# Allegro board BeagleBone-AI.brd (continued)
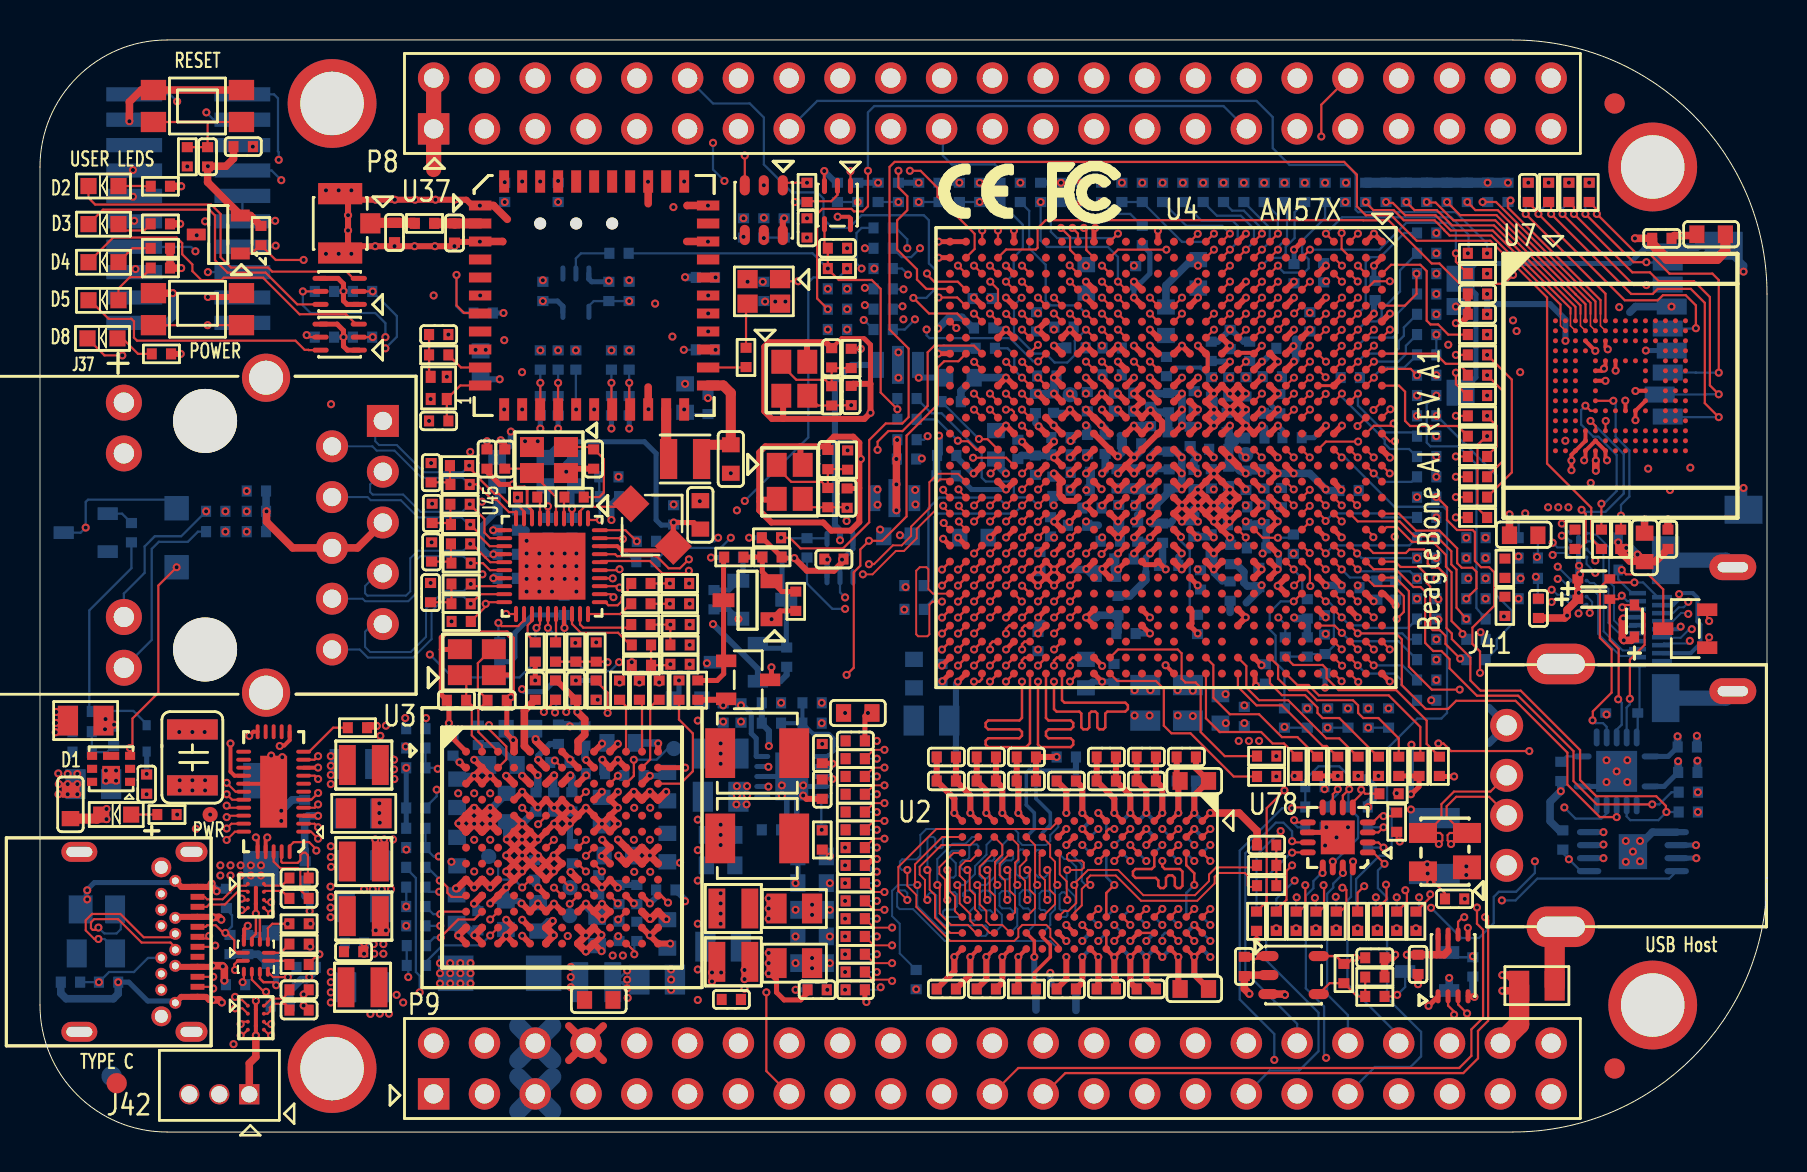
[diagram p0: board, top side]
## Routing (per net, layer and track width the routed paths; a pad name or vN(x,y) marks a point on that pad's centre or on a via; arc(x,y) is an arc through that point) (continued)
  INT_L3 w0.102: v1(65.09,30.53) 65.45,30.89 68,30.89 v1(68.86,31.75)
N23051823: length 8.3
  TOP w0.114: U4.W6 v1(52.3,40.93)
  BOTTOM w0.114: v1(52.3,40.93) 51.89,41.34 50.54,41.34 50.29,41.59 50.29,43.37 49.47,44.2 49.47,46.06 R583.1
N23326687: length 5.4
  TOP w0.114: v1(64.29,30.56) 64.29,30.61 63.97,30.93 U4.E18
  BOTTOM w0.114: v1(64.29,30.56) 64.67,30.94 66.9,30.94 67.11,30.73 R199.1
N23326694: length 5.4
  TOP w0.114: U4.E20 v1(64.29,28.93)
  BOTTOM w0.114: R200.1 68.48,29.34 64.7,29.34 v1(64.29,28.93)
N23442368: length 3.8
  TOP w0.114: v1(46.95,34.66) 46.96,34.65 47.38,34.65 U4.AE14
  BOTTOM w0.114: v1(46.95,34.66) R100.1
N23442594: length 8.8
  TOP w0.114: U4.AD17 v1(48.31,31.33)
  BOTTOM w0.114: v1(48.31,31.33) 47.91,31.72 44.96,31.72 44.42,31.19 44.42,27.56 R101.1
N23442637: length 6.9
  TOP w0.114: U4.AC16 v1(49.11,32.13)
  INT_L3 w0.102: v1(49.11,32.13) 49.09,32.13 48.7,32.51 48.7,33.08 48.45,33.34 46.19,33.34 45.75,33.78 44.2,33.78 v1(44.09,33.68)
  BOTTOM w0.114: R99.1 44.07,33.66 v1(44.09,33.68)
N23442639: length 8.2
  TOP w0.114: U4.AB16 v1(49.91,32.13)
  INT_L3 w0.102: v1(49.91,32.13) 49.91,32.13 49.53,32.51 49.53,33.15 48.46,34.21 44.97,34.21 v1(44.39,34.8)
  BOTTOM w0.114: R98.1 44.21,34.62 v1(44.39,34.8)
N23442674: length 10
  TOP w0.114: U4.AC17 v1(49.11,31.33)
  BOTTOM w0.114: v1(49.11,31.33) 48.7,30.92 44.89,30.92 44.72,30.75 44.72,26.68 44.2,26.16 R102.1
N23513914: length 5.7
  TOP w0.114: v1(65.1,24.96) 64.74,25.32 U4.E25
  BOTTOM w0.114: v1(65.1,24.96) 65.52,24.54 67.94,24.54 R582.2
N23597716: length 6.8
  TOP w0.114: R27.2 25.78,21.59 v1(25.2,21.01)
  TOP w0.12: U3.E5 v1(24.11,16.21)
  INT_L3 w0.102: v1(24.11,16.21) 25.32,17.43 25.32,20.5 25.2,20.62 v1(25.2,21.01)
N23656380: length 7.6
  TOP w0.114: U7.A6 78.28,41.92 v1(74.3,45.91)
  BOTTOM w0.114: R183.1 74.3,46.38 v1(74.3,45.91)
N23656488: length 7.8
  TOP w0.114: v1(79.06,30.82) 79.06,30.14 R201.1 ; U7.J5 v1(78.68,36.57)
  BOTTOM w0.114: v1(79.06,30.82) 79.06,31.36 79.48,31.78 79.48,34.09 78.79,34.77 78.79,36.45 v1(78.68,36.57)
N24572118: length 13.1
  TOP w0.114: D5.2 2.5,41.59 3.43,40.67 4.57,40.67 4.7,40.54 4.7,39.73 4.85,39.57 12.78,39.57 13.23,39.12 13.42,39.12 13.44,39.1 T1.6
N24572172: length 2.6
  TOP w0.114: D5.1 3.93,42.18 4.49,42.75 5.11,42.75 5.54,43.18 R590.1
N24572186: length 1.9
  TOP w0.114: R591.1 4.62,44.2 D4.1
N24572188: length 16.4
  TOP w0.114: D4.2 3.66,44.73 6.83,44.73 7.11,44.45 7.11,43.89 7.62,43.38 7.62,43.05 8.08,42.6 9.07,42.6 9.19,42.72 11.15,42.72 12.98,40.89 15.3,40.89 15.8,40.4 T1.3
N24572248: length 15.2
  TOP w0.114: T2.6 12.87,41.39 11.28,42.98 9.37,42.98 8.75,43.6 8.75,45.83 8.46,46.13 3.15,46.13 D3.2
N24572250: length 1.9
  TOP w0.114: R592.1 5.21,45.08 4.17,45.08 3.93,45.33 D3.1
N24572322: length 1.6
  TOP w0.114: R593.1 5.1,47.29 5.09,47.31 D2.1
N24572324: length 17
  TOP w0.114: D2.2 2.42,46.72 2.76,46.38 8.56,46.38 9.03,45.91 9.03,43.75 9.55,43.23 11.4,43.23 11.61,43.03 15.33,43.03 15.67,42.69 T2.3
N24828742: length 4.4
  TOP w0.114: U4.C27 v1(65.89,23.33)
  BOTTOM w0.114: R581.2 68.83,21.59 68.07,22.35 68.07,22.61 67.75,22.92 66.31,22.92 v1(65.89,23.33)
N24884777: length 2.7
  TOP w0.114: R537.1 14.66,20.22 13.46,19.02 U72.11
N24893755: length 0.7
  TOP w0.114: v1(10.13,7.49) 10.2,7.55 U22.3
  BOTTOM w0.114: v1(10.13,7.49) R540.2
N24895491: length 1.2
  TOP w0.114: R542.1 12.04,8.96 U22.8
N24896459: length 1.1
  TOP w0.114: R543.1 12.29,8.56 U22.7
N24952649: length 7.3
  BOTTOM w0.114: D77.1 6.4,31.62 2.4,31.62 2.29,31.51 v1(2.29,30.23) 2.03,29.97 Q14.3
N24952688: length 1.4
  BOTTOM w0.114: Q14.1 4.1,30.92 R552.2
N24981990: length 3.4
  SIG_L8 w0.102: v1(35.05,20.52) 35.05,19.63 v1(36.42,18.26)
  BOTTOM w0.114: R3.1 35.18,20.52 v1(35.05,20.52) ; U1.9 36.42,18.28 v1(36.42,18.26)
N24982040: length 1.7
  BOTTOM w0.114: U1.5 39.07,15.14 v1(39.09,15.11)
N24982198: length 4.8
  SIG_L8 w0.102: v1(36.42,17.27) 36.42,17.65 34.67,19.41 34.67,20.02 v1(34.16,20.52)
  BOTTOM w0.114: R4.1 34.29,20.52 v1(34.16,20.52) ; v1(36.42,17.27) 36.42,17.28 U1.7
N24984890: length 2
  TOP w0.114: R26.2 R29.2 C49.1
N25034157: length 1.5
  TOP w0.114: v1(24.83,25.21) 25,25.38 U45.24
  BOTTOM w0.114: R660.1 24.77,25.15 v1(24.83,25.21)
N25040645:
  vias: v1(33.78,39.12)
N25041354: length 2.3
  TOP w0.508: R385.1 18.72,45.47 C268.1 16.52,45.47 J33.1
N25042473: length 2.2
  TOP w0.114: R576.1 35.31,41.35 OSC1.3
N25042541: length 1.7
  TOP w0.114: OSC1.1 37.11,42.54 v1(37.91,42.54)
  BOTTOM w0.114: v1(37.91,42.54) 37.24,42.54 R588.1
N25046465: length 10.4
  TOP w0.114: U78.14 v1(64.65,13.53) ; v1(65.47,17.14) 65.15,16.82 U78.6
  BOTTOM w0.114: v1(64.65,13.53) 64.73,13.53 R567.1 65.91,14.71 65.91,15.75 65.43,16.23 C466.1 65.43,17.11 v1(65.47,17.14) 65.47,17.79 64.97,18.29 63.93,18.29 63.27,17.63 FB5.2 R566.1
N25046575: length 2.2
  TOP w0.114: v1(64.9,17.14) 64.65,16.89 U78.7
  BOTTOM w0.114: v1(64.9,17.14) 64.9,16.92 R566.2
N25046904: length 1.7
  TOP w0.114: U78.3 66.93,14.98 v1(67.18,15.24)
  BOTTOM w0.114: v1(67.18,15.24) R572.2
N25070930: length 1.3
  TOP w0.114: D1.1 R594.1
N25114550: length 8.5
  TOP w0.114: U4.A19 67.21,30.13 67.34,30.25 67.87,30.25 68.61,29.51 69.65,29.51 70.31,28.85 70.31,28.27 70.59,27.99 70.59,25.55 71.12,25.02 71.12,24.99 v1(71.13,24.9)
  BOTTOM w0.114: R608.1 71.32,24.71 v1(71.13,24.9)
N25114553: length 7.9
  TOP w0.114: U4.A18 67.96,30.93 68.81,30.07 69.98,30.07 70.87,29.18 70.87,28.45 71.09,28.22 71.63,28.22 71.83,28.02 71.83,27.18 v1(71.32,26.67)
N25114574: length 3
  TOP w0.114: U4.B15 v1(66.69,32.93)
  BOTTOM w0.114: v1(66.69,32.93) 67.12,32.51 68.58,32.51 68.83,32.77 R609.1
N25284807: length 1.5
  TOP w0.114: U78.9 62.83,15.48 v1(62.71,15.6)
  BOTTOM w0.114: R571.1 62.89,15.24 62.71,15.42 v1(62.71,15.6)
N25422284: length 0.6
  TOP w0.114: U4.AB10 v1(49.9,37.73)
N25698906: length 0.6
  TOP w0.305: U4.J10 v1(61.1,37.73)
N25698920: length 2.2
  TOP w0.114: U4.J19 60.73,30.13 61.14,29.72 v1(61.9,29.72)
  BOTTOM w0.114: v1(61.9,29.72) 62.51,29.72 C260.1
N25698922: length 0.6
  TOP w0.114: U4.K9 v1(60.3,38.53)
N25698924: length 0.6
  TOP w0.305: U4.K16 v1(60.29,32.13)
N25698926: length 1.1
  TOP w0.114: U4.K19 v1(60.29,29.73)
  BOTTOM w0.114: C254.1 60.29,29.27 v1(60.29,29.73)
N25698938: length 0.6
  TOP w0.305: U4.J16 v1(61.09,32.13)
N25698940: length 1.6
  TOP w0.305: U4.J9 v1(61.1,38.53)
  BOTTOM w0.305: C274.1 61.16,38.53 v1(61.1,38.53)
N25698946: length 0.6
  TOP w0.305: U4.T20 v1(54.71,28.93)
N25698948: length 0.5
  TOP w0.305: v1(51.54,34.56) U4.Y13
N25698950: length 0.6
  TOP w0.305: U4.Y14 v1(51.51,33.73)
N25698952: length 0.6
  TOP w0.305: U4.Y15 v1(51.51,32.93)
N25698960: length 3.7
  TOP w0.305: U4.R20 v1(55.51,28.93)
  BOTTOM w0.305: 55.3,28 55.3,28.72 v1(55.51,28.93)
  BOTTOM w0.381: C204.1 54.5,26.81 55.3,27.61 55.3,28
N25698962: length 4.7
  TOP w0.305: U4.P19 57.05,29.77 v1(57.05,29.75)
  BOTTOM w0.127: C214.1 57.49,26.25 57.49,29.11 57.05,29.55 v1(57.05,29.75)
N25698964: length 1.5
  TOP w0.305: U4.L9 v1(59.5,38.53)
  BOTTOM w0.305: C276.1 58.6,38.53 v1(59.5,38.53)
N25698978: length 0.6
  TOP w0.305: U4.Y16 v1(51.51,32.13)
N25699105: length 0.6
  TOP w0.114: U4.K14 v1(60.29,33.73)
N25805939: length 3.8
  TOP w0.114: U40.4 64.49,7.44 R656.1 65.86,6.78 R658.1 R657.1
N25806056: length 2
  TOP w0.114: v1(67.87,6.86) 67.79,6.78 R658.2
  BOTTOM w0.114: v1(67.87,6.86) 68.27,7.26 Q17.3
N25820129:
  vias: v1(33.78,42.74)
N25821506: length 8.5
  TOP w0.114: U72.8 13.74,17.82 v1(13.91,17.65)
  SIG_L10 w0.102: v1(13.91,17.65) 10.36,17.65 9.8,18.21 9.02,18.21 8.76,17.96 8.76,16.74 8.51,16.48 v1(8.51,15.88)
N26018296: length 0.6
  TOP w0.12: U3.J7 26.51,12.22 v1(26.51,12.22)
N26018478: length 11.8
  TOP w0.114: R670.1 59.25,18.8 58.04,20 58.04,22.23 57.78,22.48 57.28,22.48 57.09,22.67 57.09,23.94 56.9,24.13 53.91,24.13 U4.V27
N26018485: length 10.6
  TOP w0.114: R671.2 59.69,17.78 57.53,19.94 56.58,19.94 56.2,20.32 56.2,22.16 55.8,22.56 53.87,22.56 U4.V28
N26019143: length 10.7
  TOP w0.114: U4.G27 62.67,23.36 64.14,23.36 64.34,23.16 64.34,22.7 64.94,22.1 67.82,22.1 69.34,20.57 69.34,19.41 R672.2
N26019150: length 7.6
  TOP w0.114: U4.H28 61.5,22.44 62.1,21.84 63.26,21.84 63.88,21.22 63.88,20.96 64.14,20.7 64.97,20.7 66.9,18.77 R673.2
N26019157: length 7.1
  TOP w0.114: R674.2 64.87,18.77 64.34,19.3 64.14,19.3 62.1,21.34 60.83,21.34 59.9,22.27 U4.K28
N26019164: length 8.6
  TOP w0.114: R675.2 63.86,18.77 62.88,19.75 62.1,19.75 60.96,20.89 59.5,20.89 58.67,21.72 58.67,23.35 U4.M27
N26019171: length 9.4
  TOP w0.114: U4.G28 62.88,22.35 63.43,22.35 63.95,21.84 67.44,21.84 69.03,20.25 69.03,18.81 68.99,18.77 R676.1
N26019187: length 9.6
  TOP w0.114: U4.H27 61.91,23.32 61.91,22.67 62.48,22.1 63.35,22.1 63.86,21.59 65.66,21.59 65.91,21.34 65.91,20.96 66.17,20.7 66.93,20.7 67.95,19.69 R677.1
N26019190: length 8.7
  TOP w0.114: R678.1 65.89,18.77 64.97,19.69 64.32,19.69 62.42,21.59 60.96,21.59 60.33,22.23 60.33,23.3 U4.K27
N26019198: length 7.6
  TOP w0.114: R679.1 62.2,19.43 61.63,19.43 61.06,20 58.99,20 58.3,20.69 U4.M28
N26245443: length 2
  TOP w0.114: R701.1 4.9,38.91 4.13,39.69 D8.1
N26245445: length 9.6
  TOP w0.114: D8.2 3.23,38.84 v1(4.11,38.84)
  INT_L3 w0.102: v1(4.11,38.84) 4.11,41.12 v1(7.84,44.84)
N26302295: length 1.7
  TOP w0.114: U78.4 66.65,15.48 66.99,15.83 67.15,15.83 v1(67.18,15.8) 67.67,15.8 R706.2
N26302298: length 2.1
  TOP w0.114: R707.2 66.27,16.92 v1(66.07,17.12) 66.07,16.9 65.65,16.48 U78.5

## Copper pours and planes (outline as drawn; the poured copper is in the pictures)
1V8_PHY_HDMI on TOP: 50.55,33.1 50.9,33.1 51.26,32.74 51.26,31.95 51.36,31.85 51.97,31.85 52.1,31.72 52.1,31.55 51.89,31.34 51.05,31.34 50.5,31.9 50.5,33.05
1V8_PHY_HDMI on SIG_L10: 51.72,31.18 51.97,31.43 51.97,31.85 53.1,32.98 53.1,33.8 52.54,34.36 46.99,34.36 46.43,33.81 43.65,33.81 42.23,32.38 42.23,29.65 42.55,29.34 43.64,29.34 45.48,31.18
1V8_PHY_SATA on SIG_L5: 53.26,35.51 53.26,34.14 52.93,33.81 50.09,33.81 49.6,34.3 49.6,35.43 49.4,35.64 47.8,35.64 47.41,36.03 44.36,36.03 43.73,36.66 43.73,37.81 43.85,37.93 48.37,37.93 48.76,37.55 51.22,37.55
1V8_PLL on SIG_L5: 48.22,33.08 48.22,32.67 48.73,32.16 48.73,31.53 48.24,31.05 41.02,31.05 41.02,33.08
1V8_PLLA on TOP: 55.96,34.52 56.9,34.52 57.23,34.19 57.23,33.17 57.66,32.74 57.66,32.44 57.33,32.11 56.64,32.11 55.68,31.14 55.47,31.14 55.37,31.24 55.37,31.42 56.21,32.26 56.21,33.53 56.11,33.63 55.52,33.63 55.4,33.76 55.4,33.96
1V8_PLLA on BOTTOM: 55.37,33.66 55.37,33.88 55.8,34.32 56.82,34.32 57.3,33.83 57.3,32.03 57.15,31.88 56.77,31.88 55.93,31.04 55.42,31.04 55.35,31.12 55.35,31.47 55.52,31.65 55.91,31.65 56.13,31.88 56.13,32.44 56.24,32.54 56.67,32.54 56.82,32.69 56.82,33.5 56.77,33.55 55.47,33.55
1V8_PLLA on SIG_L5: 56.79,33.6 58.01,33.6 58.63,34.22 58.63,36.8 58.54,36.89 56.42,36.89 56.1,36.57 56.1,34.72 55.19,33.81 55.19,32.94 55.28,32.85 56.06,32.85 56.09,32.88 56.09,32.9
1V8_PLLA on PWR_L7: 43.62,32.52 50.79,32.52 50.99,32.73 54.19,32.73 55.21,31.71 55.94,31.71 56.65,32.42 56.65,33.87 56.76,33.97 58.86,33.97 59.07,33.77 59.07,31.99 57.72,30.65 54.29,30.65 54.06,30.87 52.54,30.87 52.31,30.65 43.85,30.65 43.47,31.03 43.47,32.32 43.65,32.5
3V3_SD on SIG_L5: 25.03,17.39 25.03,19.7 26.06,20.73 26.06,24.26 31.12,29.31 33.66,29.31 34.25,28.71 34.25,23.2 33.02,21.97 28.22,21.97 27.98,21.73 27.98,19.09 25.95,17.06 25.36,17.06
3V3_SD on PWR_L7: 32.77,28.52 32.36,28.93 32.36,35.15 41.14,43.93 71.39,43.93 72.24,44.78 72.24,47.57 72.85,48.18 77.17,48.18 77.75,47.6 77.75,44.4 75.9,42.54 54.33,42.54 52.78,41 52.78,39.22 52.68,39.12 52.04,39.12 51.82,39.34 51.82,41.33 51.21,41.94 41.96,41.94 34.32,34.29 34.32,29.21 33.63,28.52
3V3_USB on SIG_L10: 46.02,34.04 46.72,34.73 51.5,34.73 51.88,35.12 51.88,36.51 51.63,36.77 41.29,36.77 39.83,35.31 39.83,30.48 40.13,30.18 41.45,30.18 42.04,30.76 42.04,32.72 43.36,34.04
GND on TOP: 1.04,16.36 3.4,16.36 3.53,16.23 3.53,15.37 3.35,15.19 1.12,15.19 0.99,15.32 0.99,16.31
GND on TOP: 57.38,34.44 57.73,34.44 58.06,34.11 58.06,32.97 57.94,32.84 57.73,32.84 57.35,33.22 57.35,34.42
GND on TOP: 17.59,16.61 17.59,15.17 16.58,15.17 16.54,15.21 16.54,16.69 16.61,16.76 17.44,16.76
GND on TOP: 70.59,13.84 72.03,13.84 72.11,13.77 72.11,12.45 71.6,11.94 71.6,11.46 71.5,11.35 70.94,11.35 70.82,11.48 70.82,12.45 70.51,12.75 70.51,13.77
GND on TOP: 44.37,29.87 45.26,29.87 45.54,29.59 45.54,29.08 45.44,28.98 45.26,28.98 44.88,28.6 43.97,28.6 43.54,28.17 43.54,24.69 43.87,24.36 44.22,24.36 44.7,23.88 44.7,23.14 44.91,22.94 45.42,22.94 45.54,22.81 45.54,22.07 45.67,21.95 48.49,21.95 48.67,21.77 48.67,21.31 48.49,21.13 47.19,21.13 46.81,20.75 46.81,19.84 46.51,19.53 46.51,19.51 44.45,19.51 44.15,19.2 44.15,17.22 44.48,16.89 45.77,16.89 45.97,16.69 45.97,15.72 45.62,15.37 42.93,15.37 42.55,15.75 42.55,21.41 42.32,21.64 39.95,21.64 39.52,21.21 39.52,20.27 39.42,20.17 38.96,20.17 38.63,20.5 35.81,20.5 35.69,20.62 35.69,21.59 36.04,21.95 37.34,21.95 37.85,22.45 40.74,22.45 41.1,22.81 41.1,26.92 42.93,28.75 43.26,28.75
GND on TOP: 63.7,30.3 65.18,30.3 65.35,30.12 65.35,29.69 65.23,29.57 63.68,29.57 63.58,29.67 63.58,30.18
GND on TOP: 24.13,46.58 32.36,46.58 32.49,46.46 32.49,37.39 32.26,37.16 23.22,37.16 22.94,37.44 22.94,45.39
GND on TOP: 30.48,6.96 31.29,7.77 31.8,7.77 32.61,6.96 34.21,6.96 34.29,6.88 34.29,6.17 34.09,5.97 28.42,5.97 28.32,6.07 28.32,6.91 28.37,6.96
GND on TOP: 49.96,34.62 51.08,34.62 51.23,34.47 51.23,33.38 51.16,33.3 50.9,33.3 50.55,33.66 50.09,33.66 49.89,33.86 49.89,34.54
GND on TOP: 66.4,45.26 67.41,45.26 67.74,44.93 67.74,43.87 67.08,43.21 66.6,43.21 66.5,43.31 66.5,43.43 66.62,43.56 66.62,43.92 66.5,44.04 66.19,44.04 66.12,44.12 66.12,44.98
GND on TOP: 59.82,42.82 60.38,42.82 60.48,42.72 60.48,41.38 60.27,41.17 59.87,41.17 59.72,41.33 59.72,42.72
GND on TOP: 53.87,29.44 54.41,29.44 54.48,29.36 54.48,28.7 54.56,28.63 56.08,28.63 56.39,28.32 56.39,28.09 56.29,27.99 53.9,27.99 53.72,28.17 53.72,29.29
GND on TOP: 57.51,30.33 58.42,30.33 58.88,29.87 58.88,29.69 58.78,29.59 57.58,29.59 57.35,29.82 57.35,30.18
GND on TOP: 48.36,44.63 48.36,45.44 48.18,45.62 47.02,45.62 46.48,46.15 46.48,47.73 46.86,48.11 63.63,48.11 63.86,47.88 63.86,46.35 63.4,45.9 50.06,45.9 49.15,44.98 49.15,44.55 49,44.4 48.59,44.4
GND on TOP: 52.37,23.04 52.37,22 52.63,21.74 55.73,21.74 55.83,21.84 55.83,22.17 55.7,22.3 53.64,22.3 52.86,23.09 52.43,23.09
GND on TOP: 78.31,33.73 82.68,33.73 82.96,33.45 82.96,32.59 82.22,31.85 77.32,31.85 77.04,32.13 77.04,32.51 77.27,32.74 78.13,32.74 78.23,32.84 78.23,33.66
GND on TOP: 52.32,32.82 52.22,32.92 52.22,33.4 52.3,33.48 54.03,33.48 54.18,33.63 54.18,34.34 54.41,34.57 55.22,34.57 55.78,35.13 55.78,35.48 55.63,35.64 54.81,35.64 54.56,35.89 54.56,37.21 54.86,37.52 55.17,37.52 55.19,37.49 55.19,36.73 56.26,35.66 56.26,35.03 55.19,33.96 55.19,33.6 55.4,33.4 55.93,33.4 56.08,33.25 56.08,32.99 55.91,32.82
GND on TOP: 53.09,31.88 55.17,31.88 55.27,31.78 55.27,30.61 55.07,30.4 54.61,30.4 54.51,30.51 54.51,31.01 54.31,31.22 53.06,31.22 52.96,31.32 52.96,31.75
GND on TOP: 39.04,7.72 39.01,7.7 37.87,7.7 37.69,7.87 37.69,12.57 37.85,12.73 38.61,12.73 39.04,12.29
GND on TOP: 59.79,33.48 61.09,33.48 61.24,33.32 61.24,32.84 61.14,32.74 59.94,32.74 59.74,32.94 59.74,33.43
GND on TOP: 44.6,44.98 46.3,44.98 46.51,44.78 46.51,44.27 45.82,43.59 44.63,43.59 44.48,43.74 44.48,44.86
GND on TOP: 16.64,20.47 16.88,20.71 17.54,20.71 17.72,20.54 17.72,19.7 17.58,19.56 16.84,19.56 16.64,19.76
GND on TOP: 83.08,20.02 83.08,17.88 82.4,17.2 82.4,13.44 82.14,13.18 79.02,13.18 78.79,13.41 78.79,14.94 79.22,15.37 81.23,15.37 81.66,15.8 81.66,16.46 80.92,17.2 77.95,17.2 77.52,17.63 77.52,19.74 77.95,20.17 77.95,20.93 78.11,21.08 82.02,21.08
GND on TOP: 57.33,26.67 59.89,26.67 60.48,26.09 60.48,24.64 59.87,24.03 57.33,24.03 57.02,24.33 57.02,26.37
GND on TOP: 50.65,39.45 51.38,39.45 51.51,39.32 51.51,37.46 51.18,37.13 51.18,36.47 50.9,36.2 50.01,36.2 49.76,36.45 49.76,36.98 49.86,37.08 50.42,37.08 50.55,37.21 50.55,39.34
GND on TOP: 50.5,29.9 50.83,29.9 51.26,29.46 51.26,29.16 50.85,28.75 49.83,28.75 49.73,28.85 49.73,29.39 49.83,29.49 50.09,29.49
GND on TOP: 13,48.51 21.74,48.51 22.4,47.85 22.4,46.58 22.07,46.25 21.62,46.25 21.44,46.43 15.8,46.43 15.62,46.25 15.62,44.6 15.75,44.48 20.29,44.48 20.55,44.73 21.34,44.73 21.41,44.65 21.41,44.42 20.4,43.41 13.13,43.41 12.67,43.87 12.67,48.18
GND on TOP: 52.3,26.44 53.01,26.44 53.14,26.31 53.14,24.82 52.98,24.66 52.43,24.66 52.17,24.92 52.17,26.31
GND on TOP: 73.56,38.76 74.65,38.76 74.93,38.48 74.93,32 73.96,31.04 73.96,29.49 73.86,29.39 73.36,29.39 73.08,29.67 73.08,31.83 73.84,32.59 73.84,37.74 73.46,38.13 73.46,38.66
GND on TOP: 62.59,40.28 63.53,40.28 63.68,40.13 63.68,39.95 62.84,39.12 62.84,38.25 62.64,38.05 62.23,38.05 62.13,38.15 62.13,39.83
GND on TOP: 47.27,30.25 48.79,30.25 48.89,30.15 48.89,29.87 48.62,29.59 47.29,29.59 47.22,29.67 47.22,30.2
GND on TOP: 56.18,23.42 56.77,23.42 56.85,23.34 56.85,22.43 57.05,22.23 57.71,22.23 57.84,22.1 57.84,21.72 57.73,21.62 56.69,21.62 56.44,21.87 56.44,22.28 56.16,22.56 56.16,23.39
GND on TOP: 63.53,35.46 65.28,35.46 65.46,35.28 65.46,34.85 65.33,34.72 63.53,34.72 63.47,34.77 63.47,35.41
GND on BOTTOM: 69.39,7.87 70.71,7.87 71.22,7.37 72.24,7.37 72.92,8.05 73.46,8.05 74.02,7.49 74.02,3.91 73.74,3.63 72.42,3.63 72.29,3.76 72.29,5.33 71.91,5.71 69.22,5.71 68.88,6.05 68.88,7.37
GND on BOTTOM: 58.39,38.05 60.55,38.05 60.6,38 60.6,37.52 60.55,37.46 58.32,37.46 58.27,37.52 58.27,37.54 57.35,37.54 57.25,37.44 56.01,37.44 55.88,37.57 55.88,37.9 56.06,38.07 56.46,38.07 56.74,38.35 58.09,38.35
GND on BOTTOM: 76.83,41.68 79.32,41.68 79.78,41.22 79.78,38.46 80.06,38.18 80.06,36.68 79.55,36.17 79.2,36.17 79.02,36.35 79.02,36.83 78.89,36.96 77.01,36.96 76.63,36.58 76.63,34.92 77.17,34.39 77.88,34.39 78.54,33.73 78.54,32.66 77.93,32.05 73.96,32.05 73.58,32.44 73.58,38.63 73.86,38.91 76.48,38.91 76.73,39.17 76.73,41.58
GND on BOTTOM: 43.56,27.69 43.56,25.27 42.77,24.49 42.77,23.14 43.18,22.73 45.21,22.73 45.36,22.58 45.36,22.15 45.03,21.82 44.73,21.82 44.58,21.67 44.58,19.69 45.19,19.08 45.19,18.06 44.98,17.86 43.26,17.86 41.81,19.3 41.02,19.3 41.02,19.96 41,19.96 40.54,20.42 39.95,20.42 39.67,20.7 39.67,24.54 41.02,25.88 41.02,27.3 41.4,27.69
GND on BOTTOM: 80.06,34.24 82.63,34.24 82.91,33.96 82.91,31.95 82.22,31.27 80.39,31.27 79.88,31.78 79.88,34.06
GND on BOTTOM: 24.18,31.22 24.18,26.92 24.33,26.77 25.5,26.77 25.91,27.18 26.42,27.18 26.67,26.92 26.67,26.9 27.58,26.9 27.79,27.1 27.79,29.18 27.53,29.44 25.15,29.44 24.89,29.69 24.89,31.12 24.66,31.34 24.31,31.34
GND on BOTTOM: 60.99,36.45 62.13,36.45 62.33,36.25 62.33,35.79 62.26,35.71 60.91,35.71 60.86,35.76 60.86,36.32
GND on BOTTOM: 51.87,22.81 54.46,22.81 54.58,22.94 54.61,22.94 54.61,24 54.91,24.31 55.75,24.31 55.96,24.51 55.96,27.71 56.08,27.84 56.97,27.84 57.35,27.46 57.35,24.77 57.61,24.51 58.5,24.51 58.75,24.77 58.75,25.78 58.76,25.79 58.76,26.63 58.95,26.82 60.17,26.82 60.53,26.47 60.53,22.99 60.71,22.81 61.39,22.81 61.7,22.5 61.7,21.82 60.83,20.96 60.02,20.96 59.41,21.56 52.1,21.56 51.79,21.87 51.79,22.73
GND on BOTTOM: 59.13,35.48 59.61,35.48 59.69,35.41 59.69,35.1 59.79,35 60.48,35 60.55,34.92 60.55,34.52 60.48,34.44 59.92,34.44 59.74,34.26 59.74,33.63 59.99,33.38 59.99,33.05 59.94,32.99 59.18,32.99 59.06,33.12 59.06,35.41
GND on BOTTOM: 30.33,43.43 32.08,43.43 32.39,43.13 32.39,40 31.5,39.12 31.5,35.51 31.75,35.26 35.05,35.26 35.31,35 35.31,30.78 35.08,30.56 32.69,30.56 32.46,30.78 32.46,32.84 30.05,35.26 30.05,43.15
GND on BOTTOM: 52.83,31.57 55.02,31.57 55.17,31.42 55.17,30.84 55.07,30.73 54.51,30.73 54.25,30.99 53.62,30.99 53.37,30.73 53.37,29.31 53.29,29.24 52.78,29.24 52.63,29.39 52.63,30.81 52.78,30.96 52.78,31.52
GND on BOTTOM: 28.55,47.93 33.07,47.93 33.86,47.14 34.67,47.14 35.23,47.7 36.5,47.7 36.8,47.4 36.8,46.41 36.58,46.18 34.82,46.18 34.57,45.92 34.57,44.78 34.06,44.27 30.43,44.27 28.4,46.3 28.4,47.78
GND on BOTTOM: 44.86,45.57 48.44,45.57 48.79,45.21 48.79,44.35 48.03,43.59 44.91,43.59 44.7,43.79 44.7,45.42
GND on BOTTOM: 61.72,19.38 66.7,19.38 66.98,19.1 66.98,18.26 66.42,17.7 66.01,17.7 65.13,18.59 63.86,18.59 62.97,17.7 61.57,17.7 61.24,18.03 61.24,18.9
GND on BOTTOM: 62.61,40.39 63.68,40.39 63.98,40.08 63.98,38.63 63.6,38.25 62.64,38.25 62.46,38.43 62.46,40.23
GND on BOTTOM: 16.31,20.6 17.5,20.6 17.86,20.24 17.86,7.57 18.39,7.04 18.39,6.25 18.26,6.12 16.66,6.12 16.08,6.71 16.08,20.37
GND on BOTTOM: 4.95,17.65 4.95,19.33 5.05,19.43 5.41,19.43 6.17,20.19 6.17,20.62 6.27,20.73 8.92,20.73 8.97,20.68 8.97,19.66 8.84,19.53 6.65,19.53 5.87,18.75 5.87,17.83 5.64,17.6 5,17.6
GND on BOTTOM: 36.78,16.61 38.35,16.61 38.4,16.56 38.4,15.98 38.28,15.85 38.28,12.01 38.71,11.58 38.71,6.98 38.56,6.83 37.74,6.83 37.52,7.06 37.52,13.92 36.75,14.68 36.75,16.59
GND on BOTTOM: 18.87,40.54 20.5,40.54 20.93,40.11 20.93,38.51 21.23,38.2 23.01,38.2 23.19,38.02 23.19,34.52 23.06,34.39 22.2,34.39 21.67,33.86 19.02,33.86 18.72,34.16 18.72,40.39
GND on BOTTOM: 47.02,30.23 49.76,30.23 49.96,30.02 50.75,30.02 50.93,29.85 50.93,28.68 50.72,28.47 49.66,28.47 48.97,29.16 47.17,29.16 46.99,29.34 46.99,30.2
GND on BOTTOM: 71.48,18.9 71.48,15.65 70.97,15.14 68.5,15.14 68.15,15.49 68.15,19.43 68.94,20.22 69.95,20.22 69.98,20.19 70.43,20.19 71.6,21.36 73.58,21.36 74.14,20.8 74.14,19.76 73.76,19.38 71.96,19.38
GND on BOTTOM: 57.43,30.07 58.12,30.07 58.24,30.2 58.8,30.2 58.9,30.1 58.9,29.59 58.72,29.41 57.51,29.41 57.4,29.51 57.4,30.05
GND on BOTTOM: 60.05,31.62 60.55,31.62 60.68,31.5 60.68,30.91 60.83,30.76 60.83,30.23 60.71,30.1 60.05,30.1 59.99,30.15 59.99,31.57
GND on BOTTOM: 13.49,47.62 22.23,47.62 22.56,47.29 22.56,43.99 21.74,43.18 13.54,43.18 13,43.71 13,47.14
GND on BOTTOM: 53.77,33.4 54.05,33.4 54.79,34.14 54.79,34.72 54.81,34.75 55.32,34.75 55.4,34.67 55.4,34.16 55.14,33.91 55.14,33.58 55.32,33.4 56.69,33.4 56.77,33.32 56.77,32.89 56.62,32.74 52.86,32.74 52.81,32.79 52.81,33.45 53.01,33.66 53.52,33.66
GND on BOTTOM: 53.9,38.18 54.76,38.18 54.99,37.95 54.99,36.63 55.12,36.5 55.88,36.5 56.13,36.25 56.67,36.25 56.72,36.2 56.72,35.1 57.07,34.75 57.94,34.75 58.09,34.59 58.09,32.87 57.99,32.77 57.53,32.77 57.35,32.94 57.35,34.01 56.79,34.57 56.11,34.57 55.98,34.7 55.98,35.59 55.78,35.79 55.02,35.79 54.91,35.69 54.51,35.69 54.36,35.84 54.36,37.11 53.82,37.64 53.8,37.64 53.8,38.07
GND on BOTTOM: 30.92,9.58 32.3,9.58 32.64,9.92 32.64,18.72 32.08,19.28 29.67,19.28 29.49,19.46 29.49,20.45 29.77,20.73 29.77,22.83 29.39,23.22 29.39,23.95 29.64,24.21 31.72,24.21 32.13,23.8 32.13,21.34 32.64,20.83 33.34,20.83 33.66,20.51 33.66,5.97 33.35,5.66 31.17,5.66 30.92,5.91
GND on GND_L2: 5.84,50.01 11.15,50.01 12.67,48.49 17.42,48.49 19.25,50.32 75.03,50.32 76.31,49.03 76.31,47.26 78.75,44.82 81.22,44.82 83.39,42.65 83.39,29.97 82.52,29.11 82.52,27.51 83.64,26.39 83.64,24.69 83.06,24.1 78.61,24.1 77.62,25.1 74.45,25.1 73.28,23.93 73.28,22.48 74.68,21.08 82.04,21.08 83.34,19.79 83.34,13.16 82.55,12.37 74.12,12.37 73.18,11.43 73.18,9.17 74.73,7.62 76.1,7.62 76.53,7.19 76.53,4.9 74.93,3.3 19.58,3.3 16.64,6.25 12.9,6.25 10.52,3.86 9.27,3.86 8.84,4.29 8.84,5.51 8.1,6.25 8.1,14.53 6.63,16 4.27,16 3.73,16.54 3.73,19.35 4.47,20.09 12.88,20.09 13.61,20.83 13.61,27.38 12.73,28.27 9.73,28.27 8.84,29.16 8.84,31.55 10.06,32.77 13.28,32.77 13.51,32.99 13.51,39.22 12.52,40.21 4.47,40.21 4.32,40.36 4.32,48.49 ; 1 cut-out
GND on INT_L3: 5.84,50.01 11.15,50.01 12.67,48.49 17.42,48.49 19.25,50.32 43.51,50.32 43.51,50.29 44.91,48.89 75.88,48.89 76.31,48.46 76.31,47.26 78.75,44.82 81.22,44.82 83.39,42.65 83.39,29.97 82.52,29.11 82.52,27.51 83.64,26.39 83.64,24.69 83.08,24.13 78.59,24.13 77.62,25.1 74.45,25.1 73.28,23.93 73.28,22.48 74.68,21.08 82.04,21.08 83.34,19.79 83.34,13.16 82.55,12.37 74.12,12.37 73.18,11.43 73.18,9.17 74.73,7.62 76.1,7.62 76.53,7.19 76.53,4.9 74.93,3.3 59.03,3.3 57.51,4.83 39.32,4.83 37.8,3.3 19.58,3.3 16.64,6.25 12.9,6.25 10.52,3.86 9.27,3.86 8.84,4.29 8.84,5.51 8.1,6.25 8.1,14.53 6.63,16 4.27,16 3.73,16.54 3.73,19.35 4.47,20.09 12.88,20.09 13.61,20.83 13.61,27.38 12.73,28.27 9.73,28.27 8.84,29.16 8.84,31.55 10.06,32.77 13.28,32.77 13.51,32.99 13.51,39.22 12.52,40.21 4.47,40.21 4.32,40.36 4.32,48.49 ; 24 cut-outs
GND on GND_L4: 5.84,50.01 11.15,50.01 12.67,48.49 17.42,48.49 19.25,50.32 75.54,50.32 76.33,49.53 76.33,47.24 78.75,44.82 81.22,44.82 83.39,42.65 83.39,29.97 82.52,29.11 82.52,27.51 83.64,26.39 83.64,24.69 83.06,24.1 78.61,24.1 77.62,25.1 74.47,25.1 73.28,23.9 73.28,22.48 74.68,21.08 82.04,21.08 83.34,19.79 83.34,13.16 82.55,12.37 74.12,12.37 73.18,11.43 73.18,9.17 74.73,7.62 76.1,7.62 76.53,7.19 76.53,4.9 74.93,3.3 19.58,3.3 16.64,6.25 12.9,6.25 10.52,3.86 9.27,3.86 8.84,4.29 8.84,5.51 8.1,6.25 8.1,14.53 6.63,16 4.27,16 3.73,16.54 3.73,19.35 3.12,19.96 3.12,20.65 3.25,20.78 3.89,20.78 4.57,20.09 12.88,20.09 13.61,20.83 13.61,27.38 12.73,28.27 9.73,28.27 8.84,29.16 8.84,31.55 10.06,32.77 13.28,32.77 13.49,32.97 13.49,39.24 12.52,40.21 4.47,40.21 4.32,40.36 4.32,48.49
